# Altium PCB H-00488.PcbDoc (part 4 of 9)
Units mm, origin at the board's own origin, x right, y up, seen from the top; angles counter-clockwise.
Board outline 141.5 x 129 mm, 4 copper layers (Top Layer, Ground Plane, Power Plane, Bottom Layer), stack 1.536 mm thick; 527 components, 572 nets, 2185 pads, 1060 vias.
Unrouted connection lines stored in the file: 97.
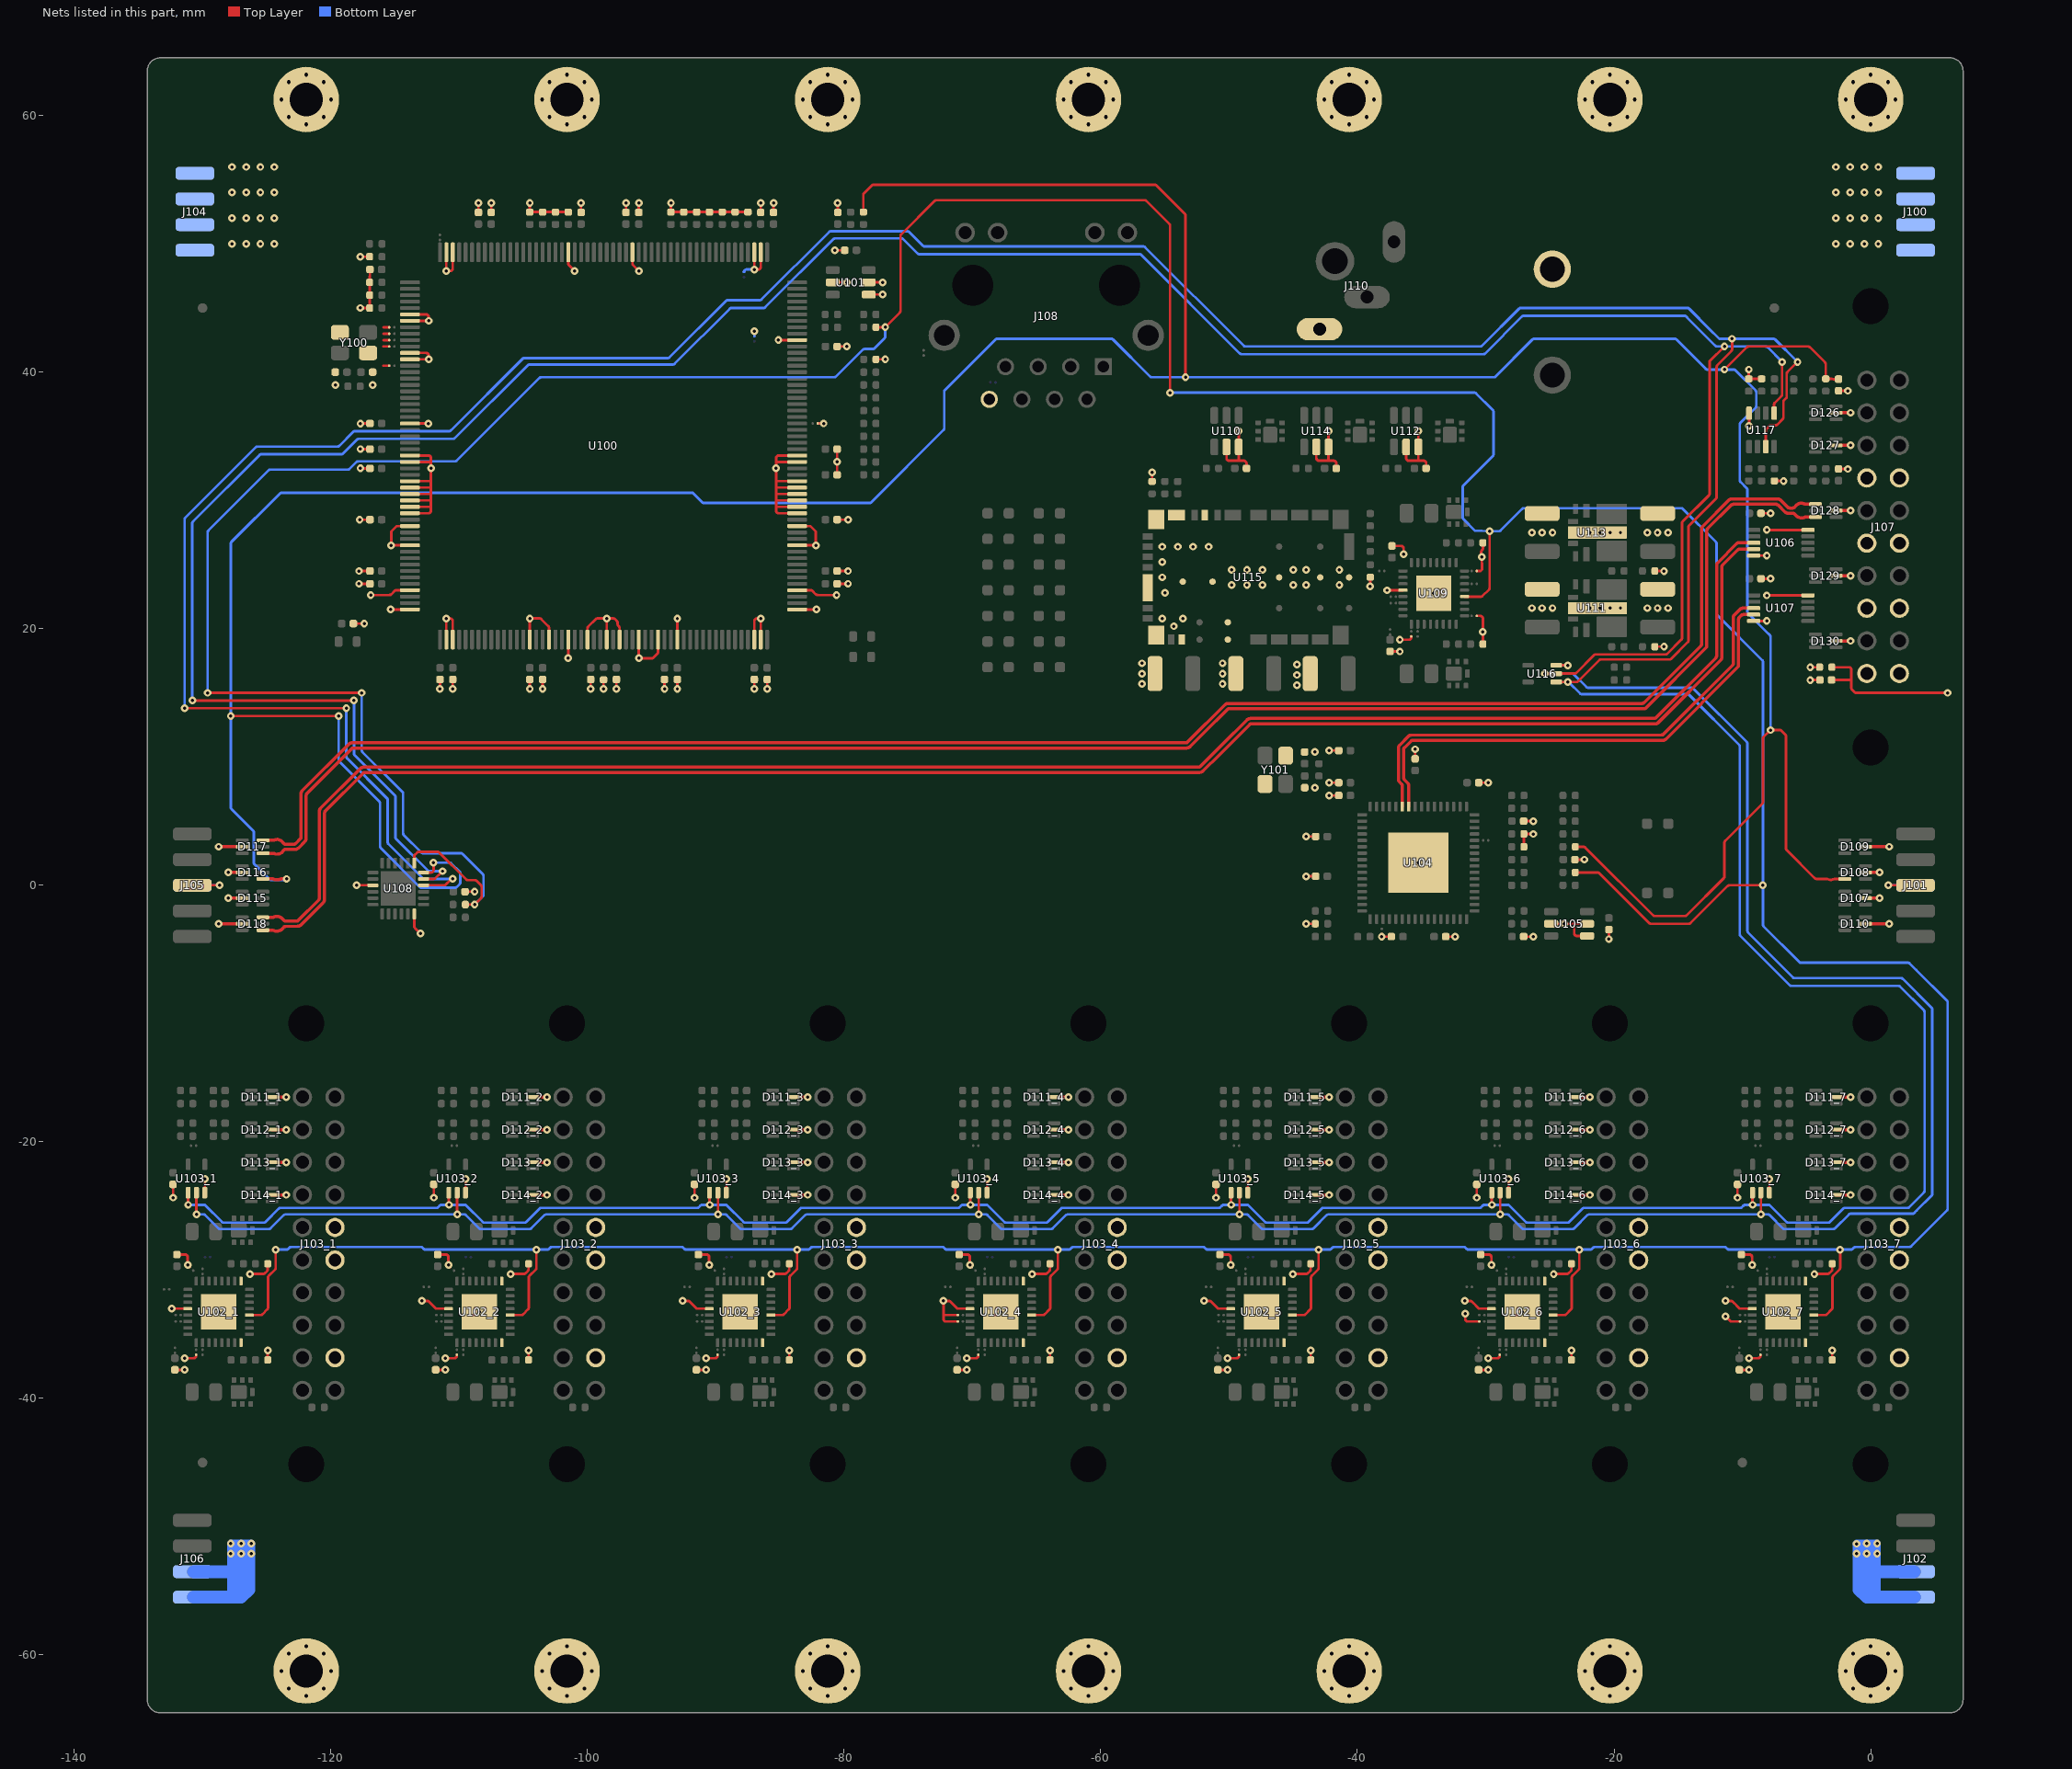
[diagram p6: the nets of this part, all layers, seen from the top]

## Via types
v1: diameter 0.6, hole 0.25, Top Layer to Bottom Layer, 934 vias
v2: diameter 0.7, hole 0.3, Top Layer to Bottom Layer, 112 vias
v3: diameter 1.27, hole 0.711, Top Layer to Bottom Layer, 14 vias

## Nets (pads, with @x,y where several pads share a name; then routed paths per layer and width w, separated by ;. In a path a pad name is that pad's centre, name@x,y a point inside that pad or via, vN(x,y) a via of type N, cw(c..) or ccw(c..) an arc to the next point about the centre after c; other vN are vias at no path point) (continued)
GND: C100.2 C101.2 C102.2 C103.2 C104.2 C105.2 C106.2 C107.2 C108.2 C109.2 C110.2 C111.2 C112.2 C113.2 C114.2 C115.2 C116.2 C117.2 C118.2 C119.2 C120.2 C121.2 C122.2 C123.2 C124.2 C125.2 C126.2 C127.2 C128.2 C129.2 C130.2 C131.2 C132.2 C133.2 C134.2 C139_1.2 C139_2.2 C139_3.2 C139_4.2 C139_5.2 C139_6.2 C139_7.2 C140_1.2 C140_2.2 C140_3.2 C140_4.2 C140_5.2 C140_6.2 C140_7.2 C141_1.2 C141_2.2 C141_3.2 C141_4.2 C141_5.2 C141_6.2 C141_7.2 C142.1 C143.2 C144.2 C145.1 C146.2 C147.1 C148.1 C149.2 C150.2 C151.2 C152.2 C153.2 C154.2 C155.2 C156.2 C157.2 C158.2 C159.2 C160.2 C161.2 C162.1 C163.1 C164.1 C165.2 C166.2 C167.2 C168.2 C169.2 C170.2 C171.2 C172.2 C173.2 C174.2 D107.2 D108.2 D109.2 D110.2 D111_1.2 D111_2.2 D111_3.2 D111_4.2 D111_5.2 D111_6.2 D111_7.2 D112_1.2 D112_2.2 D112_3.2 D112_4.2 D112_5.2 D112_6.2 D112_7.2 D113_1.2 D113_2.2 D113_3.2 D113_4.2 D113_5.2 D113_6.2 D113_7.2 D114_1.2 D114_2.2 D114_3.2 D114_4.2 D114_5.2 D114_6.2 D114_7.2 D115.2 D116.2 D117.2 D118.2 D126.2 D127.2 D128.2 D129.2 D130.2 J100.5 J100.6 J100.7 J100.8 J101.3 J101.8 J102.7 J102.8 J103_1.A5 J103_1.A6 J103_1.A9 J103_2.A5 J103_2.A6 J103_2.A9 J103_3.A5 J103_3.A6 J103_3.A9 J103_4.A5 J103_4.A6 J103_4.A9 J103_5.A5 J103_5.A6 J103_5.A9 J103_6.A5 J103_6.A6 J103_6.A9 J103_7.A5 J103_7.A6 J103_7.A9 J104.5 J104.6 J104.7 J104.8 J105.3 J105.8 J106.5 J106.6 J107.A4 J107.A6 J107.A8 J107.A10 J107.B4 J107.B6 J107.B8 J107.B10 J108.8 J109.2 J110.2 NT101.1 NT102.1 NT109.1 NT111.1 NT114.1 NT115.1 NT116.1 NT117.1 NT119_1.1 NT119_2.1 NT119_3.1 NT119_4.1 NT119_5.1 NT119_6.1 NT119_7.1 NT121_1.1 NT121_2.1 NT121_3.1 NT121_4.1 NT121_5.1 NT121_6.1 NT121_7.1 NT125_4.1 NT125_6.1 NT125_7.1 NT126_4.1 NT128.2 NT130.1 NT132.2 NT134.2 R103.1 R104.1 R109.2 R110.2 R115.2 R116.2 R117.2 R118.2 R120.2 R121.2 R122.2 R123.2 R125.2 R126.2 R128.2 R129.2 R134.1 R141_1.2 R141_2.2 R141_3.2 R141_4.2 R141_5.2 R141_6.2 R141_7.2 R144_1.2 R144_2.2 R144_3.2 R144_4.2 R144_5.2 R144_6.2 R144_7.2 R154.2 R155.2 R166.1 R180.2 R181.2 R184.2 R187.2 R190.2 R194.2 R196.1 R197.1 R200.1 R201.2 U100.2 U100.3 U100.15 U100.18 U100.21 U100.24 U100.27 U100.29 U100.32 U100.35 U100.38 U100.50 U100.51 U100.53 U100.56 U100.63 U100.66 U100.68 U100.69 U100.70 U100.71 U100.72 U100.73 U100.76 U100.77 U100.95 U100.106 U100.107 U100.126 U100.136 U100.154 U100.155 U100.162 U100.163 U100.168 U100.169 U100.179 U100.184 U100.185 U100.188 U100.189 U100.190 U100.191 U100.192 U100.193 U100.195 U100.198 U100.205 U100.208 U101.2 U101.4 U101.5 U102_1.4 U102_1.33 U102_2.4 U102_2.33 U102_3.4 U102_3.33 U102_4.4 U102_4.33 U102_5.4 U102_5.33 U102_6.4 U102_6.33 U102_7.4 U102_7.33 U103_1.3 U103_2.3 U103_3.3 U103_4.3 U103_5.3 U103_6.3 U103_7.3 U104.65 U105.2 U105.4 U105.5 U106.5 U106.10 U107.5 U107.10 U108.9 U108.18 U109.4 U109.33 U110.2 U110.3 U111.8 U112.2 U112.3 U113.8 U114.2 U114.3 U115.8 U115.10 U115.11 U115.16 U115.19 U115.21 U115.23 U115.30 U115.34 U115.35 U115.38 U115.40 U115.41 U116.3 U117.4 Y100.2 Y100.4 Y101.2 Y101.4 | length 405.8
  Top Layer w0.2: v1(-132.399,-33.004) U102_1.4@-131.248,-33.004 ; v1@-132.3,-24.36 C140_1.2@-132.3,-23.315 ; C139_1.2@-132.154,-37.772 v1(-131.4,-37.772) ; C141_1.2@-132,-28.786 -131.358,-28.786 cw(c-131.358,-28.986) -131.158,-28.987 v1(-131.158,-29.6) NT119_1.1@-131.008,-29.75 ; v1(-131.4,-36.863) -130.7,-36.863 ccw(c-130.7,-36.663) -130.5,-36.663 NT121_1.1@-130.5,-36.595 ; J105.3@-130.8,0 v1(-128.675,0) ; U103_1.3@-129.825,-23.96 v1(-129.825,-22.9) ; v1(-126.3,-30.3) -125.283,-30.3 ccw(c-125.283,-30.1) -125.141,-30.241 -124.979,-30.079 ccw(c-125.12,-29.937) -124.92,-29.937 R141_1.2@-124.92,-29.5 ; R144_1.2@-124.92,-37 v1(-124.92,-36.246) ; C130.2@-118.245,20.4 v1(-117.4,20.4) ; v1(-118,0) U108.9@-116.725,0 ; v1(-117.8,23.5) C102.2@-116.955,23.5 ; v1(-117.8,24.5) C111.2@-116.955,24.5 ; v1(-117.762,28.5) C103.2@-116.917,28.5 ; v1(-117.7,45) R128.2@-116.98,45 R125.2@-116.98,46 -116.98,47.43 cw(c-116.78,47.43) -116.976,47.467 -116.959,47.561 ccw(c-117.155,47.599) -116.955,47.598 C106.2@-116.955,48 ; v1(-117.7,49) R103.1@-116.98,49 R103.1@-116.955,49 ; v1(-117.693,32.5) C109.2@-116.955,32.5 C109.2@-116.948,32.5 ; v1(-117.693,34) C101.2@-116.955,34 C101.2@-116.948,34 ; v1(-117.693,35.997) cw(c-117.659,35.8) -117.66,36 C129.2@-116.955,36 ; Y100.4@-117.1,41.5 ccw(c-117.082,41.699) Y100.4@-117.082,41.499 ; v1(-116.9,22.625) -115.441,22.625 ccw(c-115.441,22.825) -115.299,22.684 -115.042,22.941 cw(c-114.9,22.8) -114.901,23 ; -115.901,40.5 NT109.1@-115.45,40.5 ; -115.901,42 NT117.1@-115.45,42 ; -115.901,42.5 NT116.1@-115.45,42.5 ; -115.901,43 NT115.1@-115.45,43 ; -115.901,43.5 NT114.1@-115.45,43.5 ; v1(-115.341,21.5) U100.208@-113.84,21.5 ; -114.9,23 U100.205@-113.84,23 ; U100.198@-113.84,26.5 v1(-115.3,26.5) -115.291,26.509 -115.291,27.57 -114.862,28 U100.195@-113.84,28 ; U100.193@-113.84,29 -112.4,29 ccw(c-112.4,29.2) -112.2,29.2 -112.2,29.5 ; U100.192@-113.84,29.5 -112.2,29.5 ; U100.191@-113.84,30 -112.2,30 ; U100.190@-113.84,30.5 -112.2,30.5 ; U100.189@-113.84,31 -112.2,31 ; U100.188@-113.84,31.5 -112.2,31.5 ; U100.185@-113.84,33 -112.2,33 ; U100.184@-113.84,33.5 -112.401,33.5 cw(c-112.4,33.3) -112.2,33.301 ccw(c23.855,33.15) -112.2,33 ; U100.179@-113.84,36 -112.435,36 cw(c-112.435,35.8) v1(-112.4,35.997) ; U100.169@-113.84,41 v1(-112.38,41) -112.38,41.3 ccw(c-112.58,41.3) -112.58,41.5 U100.168@-113.84,41.5 ; U100.163@-113.84,44 v1(-112.38,44) ; U100.162@-113.84,44.5 -112.58,44.5 cw(c-112.58,44.3) -112.38,44.3 v1(-112.38,44) ; U108.18@-113.5,-2.225 -113.5,-3.19 ccw(c-113.3,-3.19) -113.441,-3.331 v1(-113.023,-3.75) ; v1(-112.9,-32.4) -112.498,-32.4 cw(c-112.498,-32.6) -112.357,-32.458 -112.261,-32.554 -111.869,-32.946 ccw(c-111.728,-32.804) -111.729,-33.004 U102_2.4@-110.83,-33.004 ; v1@-111.98,-24.36 C140_2.2@-111.98,-23.315 ; C139_2.2@-111.834,-37.772 v1(-111.08,-37.772) ; C141_2.2@-111.68,-28.786 -111.038,-28.786 cw(c-111.038,-28.986) -110.838,-28.987 v1(-110.838,-29.6) NT119_2.1@-110.688,-29.75 ; v1(-111.5,15.3) C108.2@-111.5,16.045 ; v1(-111.08,-36.863) -110.38,-36.863 ccw(c-110.38,-36.663) -110.18,-36.663 NT121_2.1@-110.18,-36.595 ; U100.2@-111,19.16 v1(-111,20.8) -110.7,20.8 cw(c-110.7,20.6) -110.5,20.6 U100.3@-110.5,19.16 ; v1(-111,47.88) U100.155@-111,49.34 ; v1(-111,47.88) -110.7,47.88 ccw(c-110.7,48.08) -110.5,48.08 U100.154@-110.5,49.34 ; v1(-110.5,15.3) C117.2@-110.5,16.045 ; C161.2@-109.545,-0.5 v1(-108.8,-0.5) ; U103_2.3@-109.505,-23.96 v1(-109.505,-22.9) ; C128.2@-108.5,52.455 v1(-108.5,53.2) ; C124.2@-107.5,52.455 v1(-107.5,53.2) ; v1(-105.98,-30.3) -104.963,-30.3 ccw(c-104.963,-30.1) -104.821,-30.241 -104.659,-30.079 ccw(c-104.8,-29.937) -104.6,-29.937 R141_2.2@-104.6,-29.5 ; R144_2.2@-104.6,-37 v1(-104.6,-36.246) ; v1(-104.5,15.3) C110.2@-104.5,16.045 ; U100.15@-104.5,19.16 v1(-104.5,20.8) -103.737,20.8 cw(c-103.737,20.6) -103.596,20.742 -103.058,20.204 cw(c-103.2,20.063) -103,20.064 U100.18@-103,19.16 ; R120.2@-104.5,52.455 v1(-104.5,53.2) ; R120.2@-104.5,52.48 R117.2@-103.5,52.48 R115.2@-102.5,52.48 -101.52,52.48 R109.2@-101.5,52.5 ; v1(-103.5,15.3) C112.2@-103.5,16.045 ; v1(-101.5,17.7) U100.21@-101.5,19.16 ; U100.136@-101.5,49.34 -101.5,48.469 ccw(c-101.3,48.469) -101.442,48.328 v1(-101,47.886) ; C104.2@-100.5,52.455 v1(-100.5,53.2) ; U100.24@-100,19.16 -100,20.022 cw(c-99.8,20.021) -99.942,20.162 -99.362,20.742 cw(c-99.221,20.6) -99.222,20.8 ; v1(-99.75,15.3) C119.2@-99.75,16.045 ; -99.221,20.8 v1(-98.5,20.8) ; v1(-98.75,15.3) R134.1@-98.75,16.02 ; U100.27@-98.5,19.16 v1(-98.5,20.8) ; v1(-97.75,15.3) C118.2@-97.75,16.045 ; U100.29@-97.5,19.16 -97.5,20.047 ccw(c-97.7,20.047) -97.559,20.189 -97.592,20.222 cw(c-97.45,20.363) -97.65,20.363 -97.65,20.464 ccw(c-97.85,20.464) -97.708,20.605 -97.845,20.742 ccw(c-97.986,20.6) -97.986,20.8 v1(-98.5,20.8) ; C126.2@-97,52.455 v1(-97,53.2) ; U100.126@-96.5,49.34 -96.5,48.469 ccw(c-96.3,48.469) -96.442,48.328 v1(-96,47.886) ; U100.32@-96,19.16 v1(-96,17.7) -94.983,17.7 ccw(c-94.983,17.9) -94.842,17.758 -94.558,18.042 ccw(c-94.7,18.183) -94.5,18.183 U100.35@-94.5,19.16 ; C127.2@-96,52.455 v1(-96,53.2) ; v1(-94,15.3) C120.2@-94,16.045 ; R129.2@-93.5,52.455 v1(-93.5,53.2) ; R129.2@-93.5,52.5 -93.48,52.48 R126.2@-92.5,52.48 R123.2@-91.5,52.48 R121.2@-90.5,52.48 R118.2@-89.5,52.48 R116.2@-88.5,52.48 R110.2@-87.5,52.48 ; v1(-93,15.3) C122.2@-93,16.045 ; U100.38@-93,19.16 v1(-93,20.8) ; v1(-92.58,-32.4) -92.178,-32.4 cw(c-92.178,-32.6) -92.037,-32.458 -91.941,-32.554 -91.549,-32.946 ccw(c-91.408,-32.804) -91.409,-33.004 U102_3.4@-90.51,-33.004 ; v1@-91.66,-24.36 C140_3.2@-91.66,-23.315 ; C139_3.2@-91.514,-37.772 v1(-90.76,-37.772) ; C141_3.2@-91.36,-28.786 -90.718,-28.786 cw(c-90.718,-28.986) -90.518,-28.987 v1(-90.518,-29.6) NT119_3.1@-90.368,-29.75 ; v1(-90.76,-36.863) -90.06,-36.863 ccw(c-90.06,-36.663) -89.86,-36.663 NT121_3.1@-89.86,-36.595 ; U103_3.3@-89.185,-23.96 v1(-89.185,-22.9) ; v1(-87,15.3) C121.2@-87,16.045 ; U100.50@-87,19.16 -87,20.6 cw(c-86.8,20.6) -86.8,20.8 v1(-86.5,20.8) U100.51@-86.5,19.16 ; U100.107@-87,49.34 -87,48.67 v1(-87,48) -86.7,48 ccw(c-86.7,48.2) -86.5,48.2 U100.106@-86.5,49.34 ; C107.2@-86.5,52.455 v1(-86.5,53.2) ; v1(-86,15.3) C114.2@-86,16.045 ; v1(-85.66,-30.3) -84.643,-30.3 ccw(c-84.643,-30.1) -84.501,-30.241 -84.339,-30.079 ccw(c-84.48,-29.937) -84.28,-29.937 R141_3.2@-84.28,-29.5 ; C125.2@-85.5,52.455 v1(-85.5,53.2) ; v1(-85.301,32.5) -85.3,31.501 -85.3,31.5 ; v1@-85.301,32.502 -85.3,32.999 ; v1(-85.12,42.5) U100.95@-83.66,42.5 ; R144_3.2@-84.28,-37 v1(-84.28,-36.246) ; U100.53@-83.66,21.5 v1(-82.159,21.5) ; U100.56@-83.66,23 -82.6,23 ; U100.63@-83.66,26.5 v1(-82.2,26.5) ; U100.66@-83.66,28 -82.638,28 -82.209,27.57 v1@-82.209,26.509 ; U100.68@-83.66,29 -85.1,29 cw(c-85.1,29.2) -85.3,29.2 -85.3,29.5 ; U100.69@-83.66,29.5 -85.3,29.5 ; U100.70@-83.66,30 -85.3,30 ; U100.71@-83.66,30.5 -85.3,30.5 ; U100.72@-83.66,31 -85.3,31 ; U100.73@-83.66,31.5 -85.3,31.5 ; U100.76@-83.66,33 -85.3,33 -85.3,33.301 cw(c-85.1,33.3) -85.1,33.5 U100.77@-83.66,33.5 ; -82.599,23 cw(c-82.6,22.8) -82.458,22.941 -82.201,22.684 ccw(c-82.059,22.825) -82.059,22.625 v1(-80.6,22.625) ; NT102.1@-82.05,36 v1(-81.6,36) ; U101.2@-80.887,47 v1(-79.8,47) ; v1(-80.717,49.5) C131.2@-79.955,49.5 ; C113.2@-80.545,23.5 v1(-79.7,23.5) ; C105.2@-80.545,24.5 v1(-79.7,24.5) ; C100.2@-80.545,32 v1(-80.545,33) C116.2@-80.545,34 ; C123.2@-80.545,42 v1(-79.8,42) ; C115.2@-80.533,28.5 v1(-79.688,28.5) ; C132.2@-80.5,52.455 v1(-80.5,53.2) ; U101.4@-78.087,46.05 v1(-77,46.05) ; U101.5@-78.087,47 v1(-77,47) ; R104.1@-77.52,41 v1(-76.8,41) ; v1@-71.34,-24.36 C140_4.2@-71.34,-23.315 ; C139_4.2@-71.194,-37.772 v1(-70.44,-37.772) ; NT125_4.1@-71.141,-34.004 -72.06,-34.004 cw(c-72.06,-33.804) -72.26,-33.804 -72.26,-33.504 ; NT126_4.1@-71.14,-33.504 -72.26,-33.504 ; C141_4.2@-71.04,-28.786 -70.398,-28.786 cw(c-70.398,-28.986) -70.198,-28.987 v1(-70.198,-29.6) NT119_4.1@-70.048,-29.75 ; v1(-70.44,-36.863) -69.74,-36.863 ccw(c-69.74,-36.663) -69.54,-36.663 NT121_4.1@-69.54,-36.595 ; U102_4.4@-70.19,-33.004 -71.089,-33.004 cw(c-71.088,-32.804) -71.229,-32.946 -71.621,-32.554 -71.717,-32.458 ccw(c-71.858,-32.6) -71.858,-32.4 v1(-72.26,-32.4) ccw(c-72.06,-32.402) -72.26,-32.402 -72.26,-33.504 ; U103_4.3@-68.865,-23.96 v1(-68.865,-22.9) ; v1(-65.34,-30.3) -64.323,-30.3 ccw(c-64.323,-30.1) -64.181,-30.241 -64.019,-30.079 ccw(c-64.16,-29.937) -63.96,-29.937 R141_4.2@-63.96,-29.5 ; R144_4.2@-63.96,-37 v1(-63.96,-36.246) ; R194.2@-56,31.48 v1(-56,32.2) ; v1(-51.94,-32.4) -51.538,-32.4 cw(c-51.538,-32.6) -51.397,-32.458 -51.301,-32.554 -50.909,-32.946 ccw(c-50.768,-32.804) -50.769,-33.004 U102_5.4@-49.87,-33.004 ; v1@-51.02,-24.36 C140_5.2@-51.02,-23.315 ; C139_5.2@-50.874,-37.772 v1(-50.12,-37.772) ; C141_5.2@-50.72,-28.786 -50.078,-28.786 cw(c-50.078,-28.986) -49.878,-28.987 v1(-49.878,-29.6) NT119_5.1@-49.728,-29.75 ; U110.2@-50.2,34.17 -50.2,33.3 ccw(c-50,33.3) -50,33.1 -48.866,33.1 cw(c-48.866,32.879) -48.645,32.879 C165.2@-48.645,32.5 ; v1(-50.12,-36.863) -49.42,-36.863 ccw(c-49.42,-36.663) -49.22,-36.663 NT121_5.1@-49.22,-36.595 ; -49.25,33.1 U110.3@-49.25,34.17 v1(-49.25,35.4) ; U103_5.3@-48.545,-23.96 v1(-48.545,-22.9) ; v1(-45.02,-30.3) -44.003,-30.3 ccw(c-44.003,-30.1) -43.861,-30.241 -43.699,-30.079 ccw(c-43.84,-29.937) -43.64,-29.937 R141_5.2@-43.64,-29.5 ; v1(-44,-3) R154.2@-43.28,-3 R154.2@-43.255,-3 ; v1(-44,0.7) C148.1@-43.255,0.7 ; v1(-44,3.8) C142.1@-43.255,3.8 ; R144_5.2@-43.64,-37 v1(-43.64,-36.246) ; U114.2@-43.2,34.17 -43.2,33.3 ccw(c-43,33.3) -43,33.1 -41.866,33.1 cw(c-41.866,32.879) -41.645,32.879 C169.2@-41.645,32.5 ; -42.25,33.1 U114.3@-42.25,34.17 v1(-42.25,35.4) ; v1(-42.2,7) C150.2@-41.455,7 ; v1(-42.2,8) C145.1@-41.455,8 ; v1(-42.2,10.5) C144.2@-41.455,10.5 ; v1(-39,23.3) R181.2@-39,24.02 ; NT128.2@-38.1,-3.8 v1(-38.1,-4) C149.2@-37.355,-4 ; v1(-37.699,22.996) cw(c-37.659,22.8) -37.661,23 U109.4@-36.45,23 ; C172.2@-37.454,18.228 v1(-36.7,18.228) ; C173.2@-37.3,26.455 -36.6,26.455 cw(c-36.6,26.255) -36.4,26.255 v1(-36.4,25.8) ; v1(-36.7,19.137) -36,19.137 ccw(c-36,19.337) -35.8,19.337 NT130.1@-35.8,19.405 ; U112.2@-36.2,34.07 -36.2,33.3 ccw(c-36,33.3) -36,33.1 -35.25,33.1 ; C143.2@-35.5,9.855 v1(-35.5,10.6) ; v1(-35.25,35.4) U112.3@-35.25,34.17 -35.25,33.1 ; C167.2@-34.645,32.5 -34.645,32.9 ccw(c-34.845,32.9) -34.845,33.1 -35.25,33.1 ; C146.2@-33.118,-4 v1(-32.373,-4) ; v1(-31.62,-32.4) -31.218,-32.4 cw(c-31.218,-32.6) -31.077,-32.458 -30.981,-32.554 -30.589,-32.946 ccw(c-30.448,-32.804) -30.449,-33.004 U102_6.4@-29.55,-33.004 ; v1(-31.6,-33.4) -31.6,-33.804 ccw(c-31.4,-33.804) -31.4,-34.004 NT125_6.1@-30.501,-34.004 ; v1@-30.7,-24.36 C140_6.2@-30.7,-23.315 ; NT134.2@-30.7,21 -30.42,21 cw(c-30.42,20.8) -30.22,20.8 v1(-30.22,19.754) -30.22,19.744 v1@-30.22,19.72 ; NT132.2@-30.7,24.5 -30.4,24.5 -30.283,24.617 -30.283,24.781 ; C139_6.2@-30.554,-37.772 v1(-29.8,-37.772) ; C152.2@-30.511,8 -30.5,8.011 -30.489,8 v1(-29.8,8) ; C141_6.2@-30.4,-28.786 -29.758,-28.786 cw(c-29.758,-28.986) -29.558,-28.987 v1(-29.558,-29.6) NT119_6.1@-29.408,-29.75 ; v1@-30.32,25.625 v1(-30.3,25.6) v1@-30.299,25.534 ; v1@-30.32,25.825 cw(c-30.166,25.952) -30.309,26.092 ; -30.308,26.092 -30.279,26.121 ccw(c-30.42,26.263) -30.22,26.263 R180.2@-30.22,26.7 ; v1@-30.299,25.534 -30.283,24.785 cw(c-30.483,24.781) -30.283,24.781 ; R190.2@-30.22,18.8 -30.22,19.52 v1@-30.2,19.5 ; v1(-29.8,-36.863) -29.1,-36.863 ccw(c-29.1,-36.663) -28.9,-36.663 NT121_6.1@-28.9,-36.595 ; U103_6.3@-28.225,-23.96 v1(-28.225,-22.9) ; C147.1@-27.045,-4 v1(-26.3,-4) ; R155.2@-27.02,3 R166.1@-27.02,4 v1(-26.3,4) ; C151.2@-27.02,5 v1(-26.3,5) ; U105.2@-24.9,-3 v1@-23.95,-3 ; v1(-24.7,-30.3) -23.683,-30.3 ccw(c-23.683,-30.1) -23.541,-30.241 -23.379,-30.079 ccw(c-23.52,-29.937) -23.32,-29.937 R141_6.2@-23.32,-29.5 ; U116.3@-24.5,17.15 v1(-23.6,17.15) ; v1(-23.9,-3) -23.1,-3 ; R144_6.2@-23.32,-37 v1(-23.32,-36.246) ; C154.2@-23.045,2 v1(-22.3,2) ; U105.4@-22.1,-3.95 -22.9,-3.95 cw(c-22.9,-3.75) -23.1,-3.751 -23.1,-3 ; U105.5@-22.1,-3 -23.1,-3 ; v1(-20.4,-4.2) C153.2@-20.4,-3.48 ; R184.2@-16.82,18.6 v1@-16.14,18.6 ; R187.2@-16.82,24.5 v1@-16.14,24.5 ; v1(-11.3,-33.6) -10.955,-33.945 ccw(c-10.813,-33.804) -10.813,-34.004 NT125_7.1@-10.181,-34.004 ; v1(-11.3,-32.4) -10.898,-32.4 cw(c-10.898,-32.6) -10.757,-32.458 -10.661,-32.554 -10.269,-32.946 ccw(c-10.128,-32.804) -10.129,-33.004 U102_7.4@-9.23,-33.004 ; v1@-10.38,-24.36 C140_7.2@-10.38,-23.315 ; C139_7.2@-10.234,-37.772 v1(-9.48,-37.772) ; C141_7.2@-10.08,-28.786 -9.438,-28.786 cw(c-9.438,-28.986) -9.238,-28.987 v1(-9.238,-29.6) NT119_7.1@-9.088,-29.75 ; v1(-9.5,40.2) R196.1@-9.5,39.48 -8.52,39.48 R197.1@-8.5,39.5 ; v1(-9.48,-36.863) -8.78,-36.863 ccw(c-8.78,-36.663) -8.58,-36.663 NT121_7.1@-8.58,-36.595 ; v1@-9.475,35.814 U117.4@-9.475,36.794 ; U117.4@-9.475,36.8 U117.4@-9.469,36.794 ; v1@-9.469,35.814 v1@-9.463,35.808 ; U107.5@-9.12,20.6 v1(-8.1,20.6) ; U106.5@-9.12,25.7 v1(-8.1,25.7) ; C159.2@-8.545,23.9 v1(-7.8,23.9) ; C160.2@-8.545,29 v1(-7.8,29) ; v1(-8.1,22.6) U107.10@-4.88,22.6 ; v1(-8.1,27.7) U106.10@-4.88,27.7 ; U103_7.3@-7.905,-23.96 v1(-7.905,-22.9) ; R200.1@-7.5,31.52 v1(-6.78,31.52) ; v1(-4.7,16) C174.2@-3.955,16 ; v1(-4.7,17) R201.2@-3.98,17 ; v1(-4.38,-30.3) -3.363,-30.3 ccw(c-3.363,-30.1) -3.221,-30.241 -3.059,-30.079 ccw(c-3.2,-29.937) -3,-29.937 R141_7.2@-3,-29.5 ; R144_7.2@-3,-37 v1(-3,-36.246) ; C157.2@-2.5,32.455 v1(-1.78,32.455) ; C158.2@-2.5,38.545 v1(-1.78,38.545) ; v1(1.375,0) J101.3@3.5,0 ; -112.2,29.5 -112.2,30 ; -112.2,30 -112.2,30.5 ; -112.2,30.5 -112.2,31 ; -112.2,31 -112.2,31.5 ; -112.2,31.5 -112.2,31.502 -112.198,32.492 ccw(c-112.398,32.493) v1(-112.199,32.5) -112.2,33 ; -85.3,29.5 -85.3,30 ; -85.3,30 -85.3,30.5 ; -85.3,30.5 -85.3,31 ; -85.3,31 -85.3,31.5
  Top Layer w0.25: v1(-128.748,-3) D118.2@-126.905,-3 D118.2@-126.9,-3 ; v1(-128.748,3) D117.2@-126.905,3 D117.2@-126.9,3 ; v1(-128,-1) D115.2@-126.905,-1 D115.2@-126.9,-1 ; v1(-128,1) D116.2@-126.905,1 D116.2@-126.9,1 ; D114_1.2@-124.59,-24.13 v1(-123.49,-24.13) ; D113_1.2@-124.59,-21.59 v1(-123.49,-21.59) ; D112_1.2@-124.59,-19.05 v1(-123.49,-19.05) ; D111_1.2@-124.59,-16.51 v1(-123.49,-16.51) ; D114_2.2@-104.27,-24.13 v1(-103.17,-24.13) ; D113_2.2@-104.27,-21.59 v1(-103.17,-21.59) ; D112_2.2@-104.27,-19.05 v1(-103.17,-19.05) ; D111_2.2@-104.27,-16.51 v1(-103.17,-16.51) ; D114_3.2@-83.95,-24.13 v1(-82.85,-24.13) ; D113_3.2@-83.95,-21.59 v1(-82.85,-21.59) ; D112_3.2@-83.95,-19.05 v1(-82.85,-19.05) ; D111_3.2@-83.95,-16.51 v1(-82.85,-16.51) ; D114_4.2@-63.63,-24.13 v1(-62.53,-24.13) ; D113_4.2@-63.63,-21.59 v1(-62.53,-21.59) ; D112_4.2@-63.63,-19.05 v1(-62.53,-19.05) ; D111_4.2@-63.63,-16.51 v1(-62.53,-16.51) ; D114_5.2@-43.31,-24.13 v1(-42.21,-24.13) ; D113_5.2@-43.31,-21.59 v1(-42.21,-21.59) ; D112_5.2@-43.31,-19.05 v1(-42.21,-19.05) ; D111_5.2@-43.31,-16.51 v1(-42.21,-16.51) ; D114_6.2@-22.99,-24.13 v1(-21.89,-24.13) ; D113_6.2@-22.99,-21.59 v1(-21.89,-21.59) ; D112_6.2@-22.99,-19.05 v1(-21.89,-19.05) ; D111_6.2@-22.99,-16.51 v1(-21.89,-16.51) ; D114_7.2@-2.67,-24.13 v1(-1.57,-24.13) ; D113_7.2@-2.67,-21.59 v1(-1.57,-21.59) ; D112_7.2@-2.67,-19.05 v1(-1.57,-19.05) ; D111_7.2@-2.67,-16.51 v1(-1.57,-16.51) ; D130.2@-2.67,19.05 v1(-1.57,19.05) ; D129.2@-2.67,24.13 v1(-1.57,24.13) ; D128.2@-2.67,29.21 v1(-1.57,29.21) ; D127.2@-2.67,34.29 v1(-1.57,34.29) ; D126.2@-2.67,36.83 v1(-1.57,36.83) ; D110.2@-0.4,-3 v1(1.448,-3) ; D107.2@-0.4,-1 v1(0.7,-1) ; D108.2@-0.4,1 v1(0.7,1) ; D109.2@-0.4,3 v1(1.448,3)
  Bottom Layer w0.2: J105.8@-130.7,0 v1@-128.7,0 ; NT101.1@-87.8,47.809 -87.8,47.81 -87.8,47.812 -87.799,47.817 cw(c-87.6,47.8) -87.6,48 v1@-87.001,48 ; NT111.1@-87,42.8 v1(-87,43.2) ; v1(1.375,0) J101.8@3.4,0
  Bottom Layer w0.6: -127.8,-55.5 v1(-127.8,-52.1) ; -127.4,-55.5 -127.4,-52.1 ; -127,-55.5 v1(-127,-52.1) ; -126.6,-52.5 -126.6,-52.1 ; -126.2,-52.9 v1(-126.2,-52.1) ; -1.1,-52.9 v1(-1.1,-52.1) ; -0.7,-52.5 -0.7,-52.1 ; -0.3,-55.5 v1(-0.3,-52.1) ; 0.1,-55.5 0.1,-52.1 ; 0.5,-55.5 0.5,-53.5 v1(0.5,-52.1) ; v1(-127.8,-52.1) -127.8,-51.7 ; v1(-127.8,-52.1) v1(-126.2,-52.1) ; -127.8,-51.7 v1(-127.8,-51.3) v1(-126.2,-51.3) -126.2,-51.7 ; -127.8,-51.7 -126.2,-51.7 ; v1(-126.2,-52.1) -126.2,-51.7 ; v1(-1.1,-52.1) -0.7,-52.1 ; v1(-1.1,-52.1) -1.1,-51.7 ; -1.1,-51.7 -1.1,-51.3 v1(-0.3,-51.3) v1(0.5,-51.3) 0.5,-51.7 ; -1.1,-51.7 0.5,-51.7 ; -0.7,-52.1 v1(-0.3,-52.1) ; v1(-0.3,-52.1) 0.1,-52.1 ; 0.1,-52.1 v1(0.5,-52.1) ; v1(0.5,-52.1) 0.5,-51.7
  Bottom Layer w1: J106.5@-130.7,-55.5 -127,-55.5 -126.4,-54.9 -126.4,-53 ; J106.6@-130.7,-53.5 -126.9,-53.5 ; -0.9,-53 -0.9,-54.9 -0.3,-55.5 J102.8@3.4,-55.5 ; -0.4,-53.5 0.5,-53.5 J102.7@3.4,-53.5